# KiCad board teensy_arena_12-12.kicad_pcb (continued)
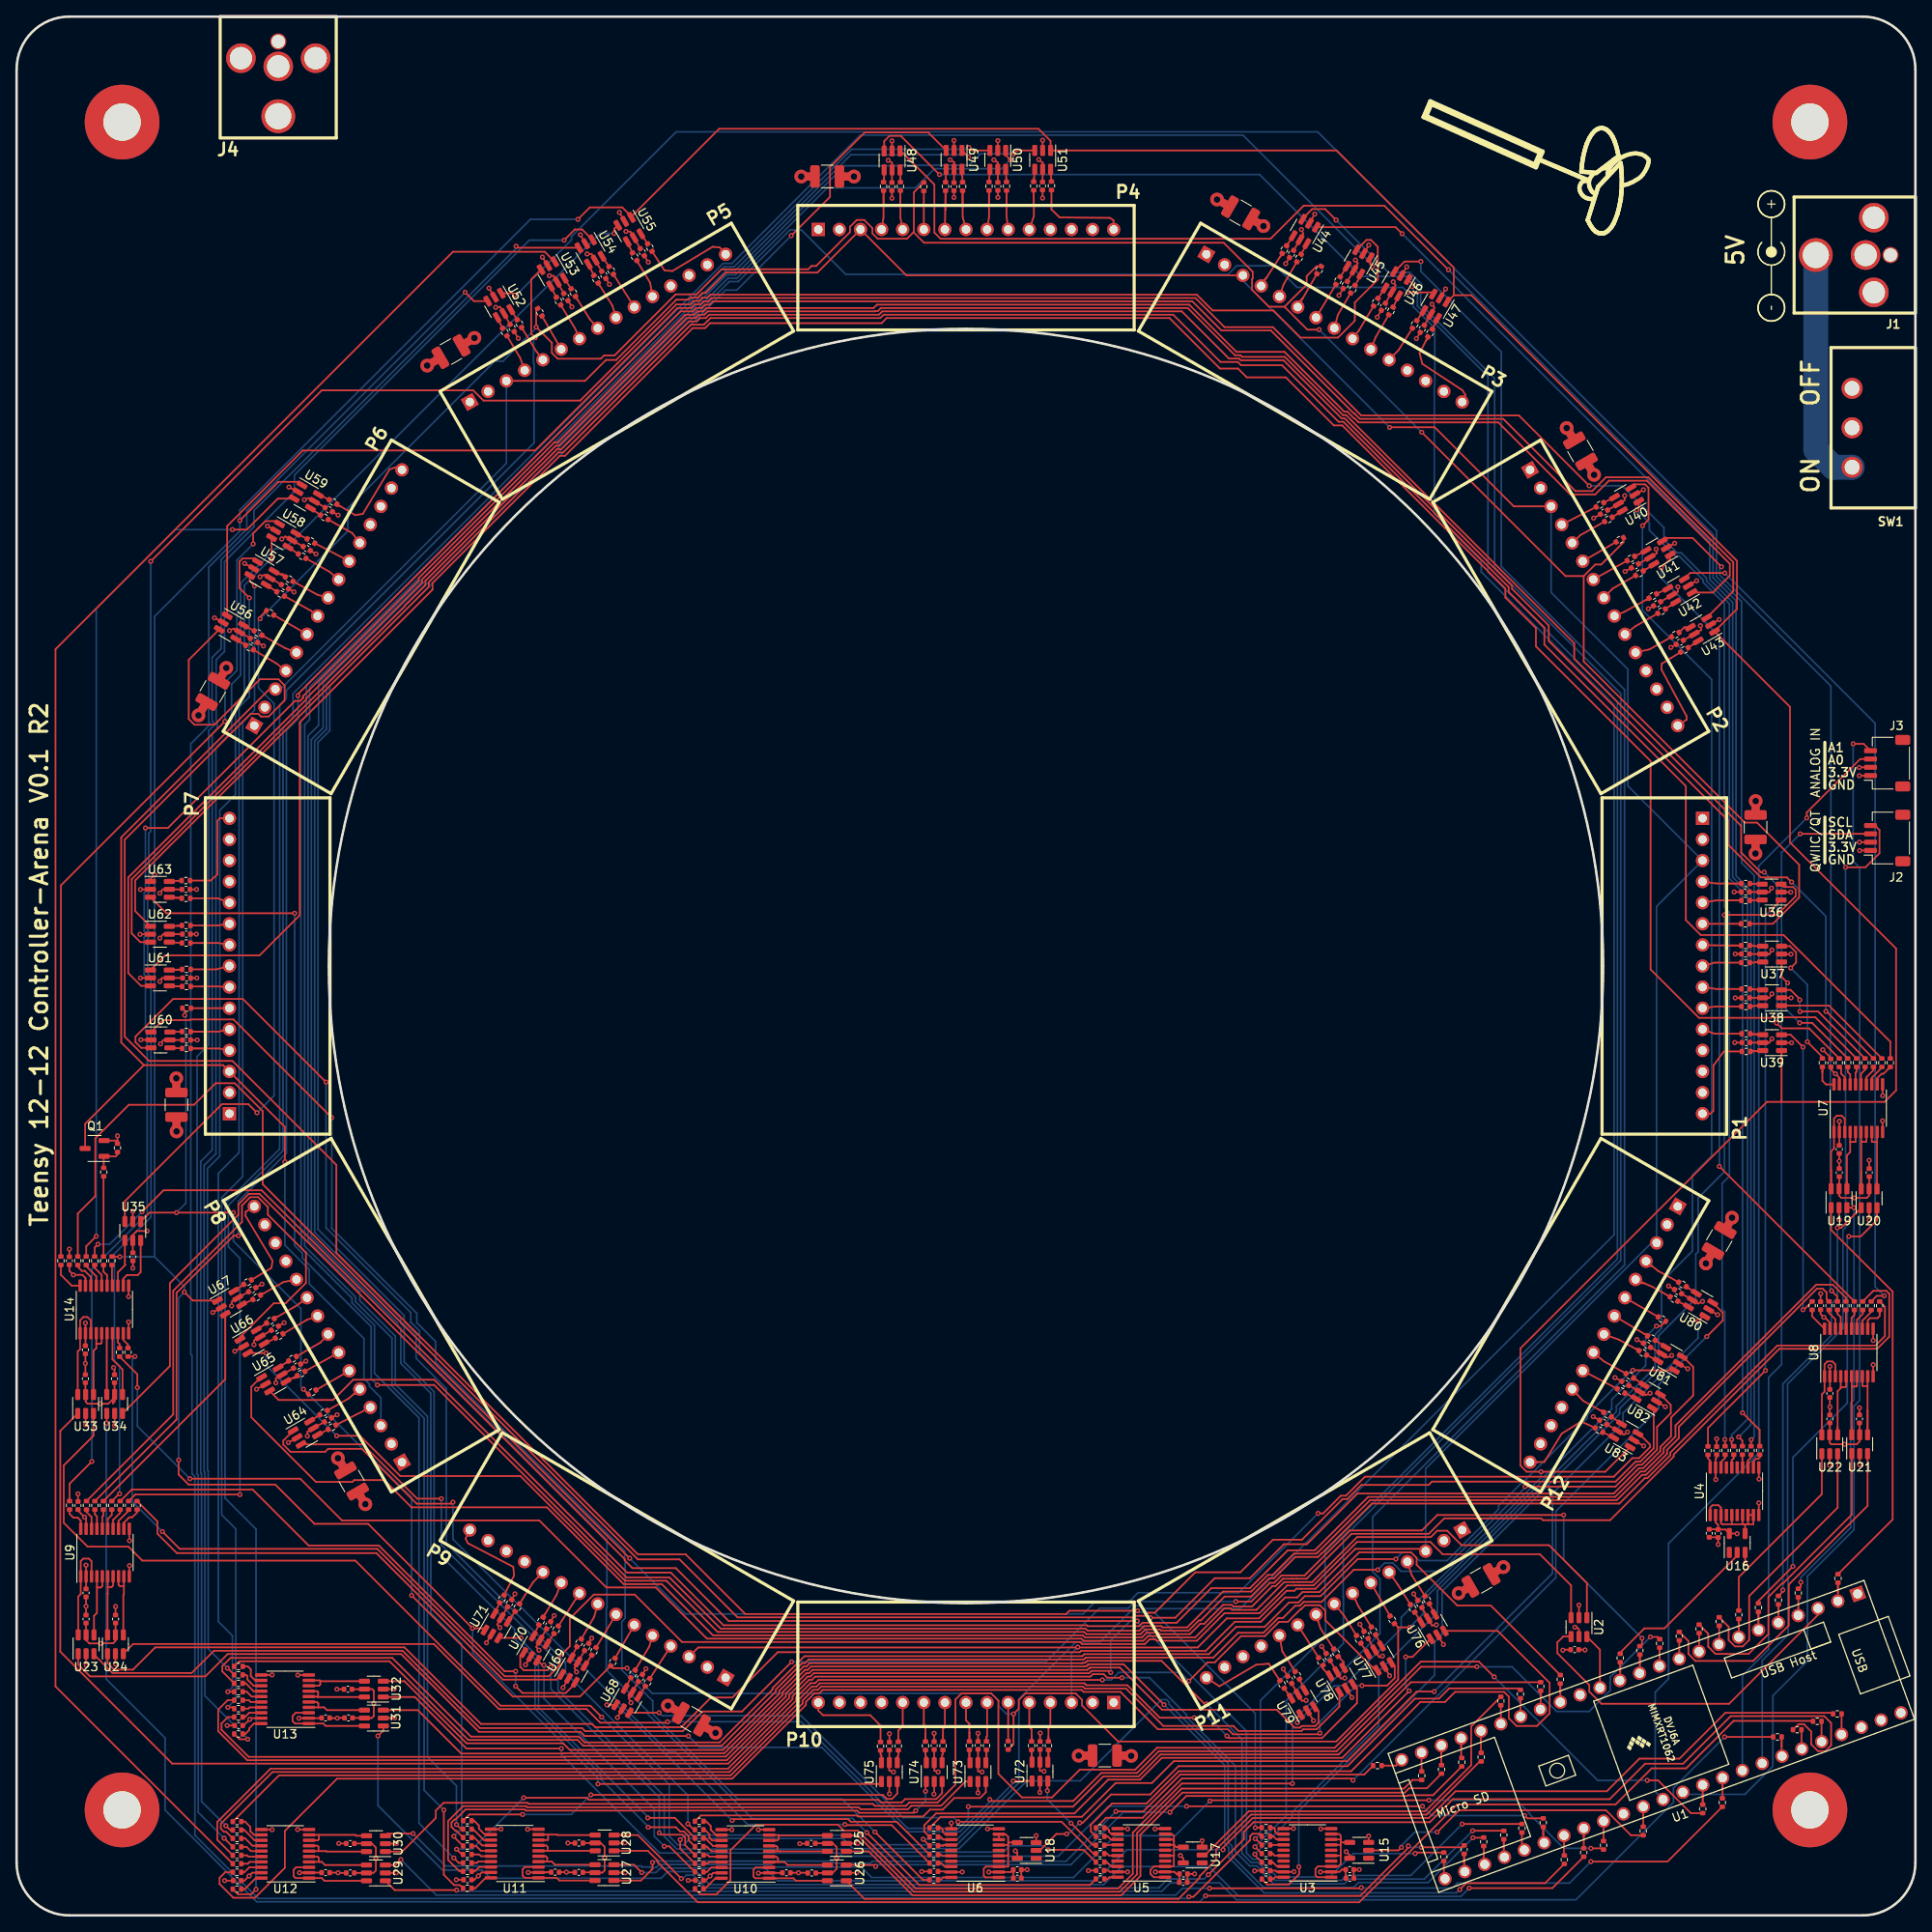
[diagram p0: board, top side]
## Routing (per net, layer and track width the routed paths; a pad name or vN(x,y) marks a point on that pad's centre or on a via; arc(x,y) is an arc through that point) (continued)
  Bottom w0.2: v1(33.47,120.65) 33.47,80.65 34.41,79.71 34.41,79.14 39.98,73.58 39.98,73.57 42.68,70.87 42.68,64.6 v1(43.43,63.86)
/Level Shifters/PAN5V.CS_05_P2: length 103.2
  Top w0.2: v1(205.25,162.37) 201.78,165.84 198.52,165.84 U41.3 ; v1(218.51,75.19) 219.22,74.48 R73.1
  Bottom w0.2: v1(218.51,75.19) 218.36,75.34 218.36,108.53 218.43,108.59 218.43,147.99 205.05,161.37 205.05,162.17 v1(205.25,162.37)
/Level Shifters/PAN5V.CS_05_P8: length 222.7
  Top w0.2: R74.1 220.23,74.36 218.65,75.94 216.66,75.94 199.72,58.99 199.72,57.65 198.3,56.23 198.3,55.74 196,53.44 195.51,53.44 192.46,50.39 162.72,50.39 156.29,43.96 153.04,43.96 148.47,39.39 143.82,39.39 139.66,35.23 135.55,35.23 135.14,34.82 128.96,34.82 128.86,34.93 85.11,34.93 78.76,41.28 73.5,41.28 50.29,64.49 40.53,64.49 38.09,62.05 31.55,62.05 U65.3
/Level Shifters/PAN5V.CS_06_P2: length 100
  Top w0.2: U41.1 199.09,163.33 v1(198,162.24) ; R75.1 v1(205,90.17)
  Bottom w0.2: v1(198,162.24) 198,161.01 205,154 v1(205,90.17)
/Level Shifters/PAN5V.CS_06_P8: length 238.4
  Top w0.2: R76.1 223.54,75.19 225.1,75.19 225.45,74.84 225.45,69.67 224,68.21 212.22,68.21 199.5,55.49 199.5,55.24 191.84,47.58 183.77,47.58 183.55,47.8 171.87,47.8 170.01,45.94 160.72,45.94 155.31,40.53 154.14,40.53 154.14,40.53 153.57,40.53 153.57,40.53 152.45,40.53 151.56,39.64 151.18,39.64 148.72,37.18 146.5,37.18 146.3,37.38 145.25,37.38 142.97,35.1 142.49,35.1 141.26,33.87 137.63,33.87 137.47,34.03 136.05,34.03 135.49,33.46 128.62,33.46 128.36,33.72 83.84,33.72 77.68,39.88 73.09,39.88 63.85,49.13 47.53,49.13 44.26,52.4 40.64,52.4 40.42,52.19 36.03,52.19 28.26,59.96 28.26,63.64 29.4,64.78 29.51,64.78
/Level Shifters/PAN5V.CS_07_P2: length 102
  Top w0.2: v1(205.66,161.62) 201.48,161.62 U42.3 ; v1(224.85,74.59) 223.96,74.59 R77.1
  Bottom w0.2: v1(224.85,74.59) 223.75,75.69 223.75,143.52 v1(205.66,161.62)
/Level Shifters/PAN5V.CS_07_P8: length 231.6
  Top w0.2: R78.1 224.94,73.27 224.94,69.75 223.8,68.61 211.99,68.61 199.1,55.73 199.1,55.41 196.33,52.64 196.01,52.64 192.96,49.58 163.15,49.58 157.12,43.55 157.07,43.55 156.67,43.15 153.94,43.15 152.12,41.33 152.12,41.33 151.37,40.58 150.8,40.58 148.61,38.39 145.44,38.39 142.56,35.51 142.33,35.51 141.09,34.27 137.79,34.27 137.63,34.43 135.89,34.43 135.33,33.87 128.78,33.87 128.52,34.12 84.4,34.12 78.23,40.28 73.26,40.28 60.65,52.89 46.19,52.89 41.35,57.74 v1(38.54,57.74) ; U66.3 v1(30.04,67.7)
  Bottom w0.2: v1(30.04,67.7) 30.04,66.24 v1(38.54,57.74)
/Level Shifters/PAN5V.CS_08_P2: length 323.4
  Top w0.2: v1(9.06,54.65) 6.38,51.97 R79.1 ; U42.1 204.21,159.26 206.26,161.3 206.26,162.73 196.25,172.73 191.71,172.73 190.06,171.08 187.05,171.08 178.38,179.75 161.58,179.75 161.08,180.24 161.01,180.24 160.22,181.03 159.86,181.03 152.65,188.23 146.86,188.23 141.18,193.92 103.58,193.92 103.18,193.52 83.61,193.52 83.6,193.52 83.04,193.52 82.68,193.16 82.68,193.16 82.63,193.11 81.95,193.11 81.55,192.71 80.49,192.71 65.11,177.33 64.74,177.33 48.42,161.02 48.42,160.73 34.48,146.79 34.48,146.6 34.48,146.6 34.48,146.56 34.12,146.21 33.5,146.21 18.21,130.92 v1(15.51,130.92)
  Bottom w0.2: v1(15.51,130.92) 15.51,123.27 15.36,123.12 15.36,118.46 15.46,118.36 15.46,117.86 15.36,117.76 15.36,113.25 15.51,113.1 15.51,106.45 15.72,106.24 15.72,84.48 9.06,77.81 v1(9.06,54.65)
/Level Shifters/PAN5V.CS_08_P8: length 69.3
  Top w0.2: R80.1 18.85,60.32 18.85,75.2 27.13,83.48 27.13,85.47 28.13,86.47 29.07,86.47 30.26,85.28 30.26,84.35 34.83,79.77 34.83,76.14 32.38,73.69 30.96,73.69 26.88,69.61 U66.1
/Level Shifters/PAN5V.CS_09_P2: length 322.4
  Top w0.2: R81.1 19.26,59.71 19.26,74.95 26.14,81.83 v1(26.7,81.83) ; U43.3 206.67,159.42 206.67,162.93 196.46,173.13 191.34,173.13 189.69,171.48 187.67,171.48 178.97,180.18 161.72,180.18 161.11,180.78 161.04,180.78 151.01,190.81 145.06,190.81 141.55,194.32 83.84,194.32 83.44,193.92 82.87,193.92 82.51,193.56 82.51,193.56 82.47,193.51 81.78,193.51 81.38,193.11 79.95,193.11 33.88,147.04 v1(33.88,146.85)
  Bottom w0.2: v1(26.7,81.83) 26.7,85.99 32.48,91.77 32.48,142.66 33.88,144.06 v1(33.88,146.85)
/Level Shifters/PAN5V.CS_09_P8: length 28.6
  Top w0.2: U67.3 25.13,64.56 R82.1
/Level Shifters/PAN5V.CS_10_P3: length 291.7
  Top w0.2: v1(12.4,50.76) 12.34,50.76 R83.1 ; v1(16.15,163.01) 36.73,183.6 54.98,183.6 56.21,182.37 67.85,182.37 72.35,186.87 72.35,186.87 79.43,193.95 81.08,193.95 81.49,194.36 82.18,194.36 82.57,194.75 83.14,194.75 83.51,195.12 142.08,195.12 143.98,193.22 151.31,193.22 154.58,189.95 159.08,189.95 161.11,191.98 161.11,194.17 163.88,196.94 163.88,200.89 163.05,201.71 162.51,201.71 U45.3
  Bottom w0.2: v1(16.15,163.01) 16.15,130.52 15.91,130.29 15.91,123.1 15.77,122.96 15.77,118.62 15.86,118.53 15.86,117.69 15.77,117.6 15.77,113.41 16.17,113.01 16.17,84.06 11.77,79.66 11.77,66.8 12.4,66.17 v1(12.4,50.76)
/Level Shifters/PAN5V.CS_10_P9: length 67.2
  Top w0.2: U69.3 67.27,27.94 66.11,26.78 60.89,26.78 v1(60.07,27.59) ; v1(60.07,29.39) 58.74,29.39 43.6,44.53 35.16,44.53 28.42,51.27 13.86,51.27 R84.1
  Bottom w0.2: v1(60.07,29.39) v1(60.07,27.59)
/Level Shifters/PAN5V.CS_11_P3: length 279.7
  Top w0.2: v1(26.89,50.66) 14.28,50.66 R85.1 ; U45.1 162.97,198.77 v1(163.24,198.5)
  Bottom w0.2: v1(163.24,198.5) 163.24,198.73 147.65,214.32 101.56,214.32 86.12,198.88 85.06,198.88 33.27,147.1 33.27,144.22 32.07,143.02 32.07,92.08 25.49,85.5 25.49,80.49 26.89,79.1 v1(26.89,50.66)
/Level Shifters/PAN5V.CS_11_P9: length 61.2
  Top w0.2: U69.1 64.99,28.39 58.54,28.39 43.31,43.62 19.29,43.62 16.95,45.96 16.95,47.43 R86.1
/Level Shifters/PAN5V.CS_12_P3: length 303.5
  Top w0.2: v1(169.06,199.11) 167.1,199.11 U46.3 ; R87.1 82.34,2.53 84.24,2.53 85.95,4.24 85.95,7.84 89.02,10.92 98.89,10.92 99.59,10.22 101.27,10.22 108.23,3.25 132.62,3.25 134.38,5.01 134.38,9.97 140.28,15.87 v1(153.59,15.87)
  Bottom w0.2: v1(169.06,199.11) 169.06,197.93 178.74,188.25 178.74,162.41 193.58,147.57 193.58,78.3 163.25,47.98 163.25,41.39 164.14,40.5 164.14,33.92 154.03,23.81 153.95,23.81 153.59,23.46 v1(153.59,15.87)
/Level Shifters/PAN5V.CS_12_P9: length 33.8
  Top w0.2: v1(77.97,8.32) 78.59,8.32 R88.1 ; U70.3 63.29,30.13 v1(63.49,30.13)
  Bottom w0.2: v1(63.49,30.13) 63.49,26.1 76.77,12.82 76.77,9.52 v1(77.97,8.32)
/Level Shifters/PAN5V.CS_13_P3: length 278.7
  Top w0.2: v1(167.99,196.1) 167.99,196.48 U46.1 ; R89.1 79.89,8.03 v1(79.89,9.11)
  Bottom w0.2: v1(167.99,196.1) 168.14,195.96 168.14,193.69 170.74,191.09 170.74,184.29 170.68,184.23 170.68,168.76 176.33,163.11 176.33,161.74 192.32,145.75 192.32,81.94 147.3,36.92 135.55,36.92 135.2,37.27 134.7,37.27 134.35,36.92 134.35,36.84 130.42,32.92 127.53,32.92 120.67,26.06 120.67,15.98 113.2,8.51 102.97,8.51 101.81,9.67 80.45,9.67 v1(79.89,9.11)
/Level Shifters/PAN5V.CS_13_P9: length 37.2
  Top w0.2: U70.1 60.64,31.22 60.64,29.93 61.05,29.52 63.92,29.52 v1(64.32,29.92) ; R90.1 80.49,8.45 80.49,9.36 80.14,9.71 77.59,9.71 v1(77.37,9.93)
  Bottom w0.2: v1(64.32,29.92) 64.32,27.26 77.37,14.2 v1(77.37,9.93)
/Level Shifters/PAN5V.CS_14_P3: length 321.7
  Top w0.2: U47.3 170.36,195.4 v1(167.49,195.4) ; R91.1 80.89,9.06 80.89,9.52 80.31,10.11 79.88,10.11 79.37,10.61 v1(76.03,10.61)
  Bottom w0.2: v1(76.03,10.61) 76.03,10.7 70.37,16.37 70.37,16.94 62.42,24.89 62.42,30.85 59.95,33.32 59.95,34.45 50.27,44.14 50.27,63.03 46.66,66.64 46.66,70.85 46.25,71.25 46.25,71.86 35.88,82.23 35.88,141.39 37.3,142.81 37.3,148.19 85.81,196.7 86.88,196.7 93.09,202.91 94.48,202.91 99.82,197.57 145.85,197.57 146.88,198.6 151.56,198.6 154.16,196 166.88,196 v1(167.49,195.4)
/Level Shifters/PAN5V.CS_14_P9: length 37.4
  Top w0.2: R92.1 81.67,9.31 79.24,11.75 v1(75.98,11.75) ; U71.3 v1(60.73,33.41)
  Bottom w0.2: v1(75.98,11.75) 75.98,11.89 62.84,25.03 62.84,31.06 60.73,33.17 v1(60.73,33.41)
/Level Shifters/PAN5V.CS_15_P4: length 262
  Top w0.2: v1(80.82,11.02) 81.52,10.31 R93.1 ; U49.3 109.75,214.65 102.11,214.65 97.93,210.47 97.93,206.9 v1(93.26,202.23)
  Bottom w0.2: v1(93.26,202.23) 86.7,195.67 85.35,195.67 37.7,148.03 37.7,142.64 36.29,141.22 36.29,82.61 46.66,72.23 46.66,71.42 48.1,69.97 48.1,67.07 51.73,63.44 51.73,44.77 66.08,30.42 66.08,29.19 80.82,14.45 v1(80.82,11.02)
/Level Shifters/PAN5V.CS_15_P10: length 37.8
  Top w0.2: R94.1 82.37,12.03 101.16,12.03 101.28,11.91 109.14,11.91 109.97,12.74 111.49,12.74 112.89,14.13 115.99,14.13 116.69,14.83 U73.3
/Level Shifters/PAN5V.CS_16_P4: length 260.3
  Top w0.2: U49.1 v1(114.6,211.7) ; v1(51.44,12.69) 51.44,4.88 52.67,3.65 53.38,3.65 R95.1
  Bottom w0.2: v1(114.6,211.7) 114.33,211.97 100.44,211.97 86.55,198.08 85.46,198.08 35.28,147.9 35.28,143.95 34.68,143.35 34.68,80.58 40.78,74.47 40.78,73.91 45.19,69.5 45.19,63.72 49.06,59.85 49.06,15.07 v1(51.44,12.69)
/Level Shifters/PAN5V.CS_16_P10: length 72.2
  Top w0.2: U73.1 114.22,16.11 111.31,13.2 107.71,13.2 107.29,12.78 101.61,12.78 101.38,13.02 61.47,13.02 61.34,13.15 53.75,13.15 51.94,11.34 51.94,6.68 53.32,5.3 R96.1
/Level Shifters/PAN5V.CS_17_P4: length 259.7
  Top w0.2: R97.1 53.23,6.32 v1(52.64,6.91) ; U50.3 115.01,212.49 v1(114.66,212.84)
  Bottom w0.2: v1(52.64,6.91) 48.45,11.1 48.45,59.9 43.09,65.26 43.09,71.04 40.38,73.74 40.38,74.3 34.81,79.87 34.81,79.88 34.28,80.42 34.28,82.2 34.22,82.25 34.22,143.84 34.88,144.49 34.88,148.13 85.23,198.48 86.38,198.48 100.54,212.64 114.46,212.64 v1(114.66,212.84)
/Level Shifters/PAN5V.CS_17_P10: length 64.2
  Top w0.2: v1(61.05,14.16) 61.05,14.16 68.63,14.16 68.88,13.91 103.74,13.91 104.04,13.61 106.57,13.61 106.97,14 110.71,14 111.42,14.72 U74.3 ; R98.1 53.6,7.34 v1(52.97,7.96)
  Bottom w0.2: v1(61.05,14.16) 54.85,7.96 v1(52.97,7.96)
/Level Shifters/PAN5V.CS_18_P4: length 259.2
  Top w0.2: v1(119.64,211.35) 119.08,211.92 U50.1 ; v1(52.64,9.53) 52.64,9.47 R99.1
  Bottom w0.2: v1(52.64,9.53) 53.59,10.47 53.59,32.69 49.87,36.41 49.87,62.86 46.25,66.47 46.25,70.68 45.85,71.08 45.85,71.33 35.48,81.71 35.48,141.56 36.9,142.97 36.9,148.37 85.64,197.11 86.72,197.11 97.6,207.99 108.2,207.99 110.5,210.28 118.57,210.28 v1(119.64,211.35)
/Level Shifters/PAN5V.CS_18_P10: length 63.3
  Top w0.2: U74.1 109.43,16.01 v1(109.43,14.94) ; R100.1 52.95,10.17 52.84,10.17 52.35,10.66 52.35,11.19 52.71,11.54 52.84,11.54 54.05,12.75 61.17,12.75 61.31,12.61 101.19,12.61 101.46,12.35 107.99,12.35 v1(108.24,12.59)
  Bottom w0.2: v1(108.24,12.59) 109.43,13.78 v1(109.43,14.94)
/Level Shifters/PAN5V.CS_19_P4: length 259.2
  Top w0.2: R101.1 53.51,10.38 v1(52.96,10.94) ; U51.3 120.44,212.49 v1(120.04,212.09)
  Bottom w0.2: v1(120.04,212.09) 116.05,212.09 114.66,210.7 106.7,210.7 106.64,210.64 99.69,210.64 86.55,197.51 85.47,197.51 36.36,148.4 36.36,143.28 35.08,142 35.08,81.29 41.33,75.04 41.33,74 45.6,69.73 45.6,63.96 49.46,60.09 49.46,19.09 52.96,15.59 v1(52.96,10.94)
/Level Shifters/PAN5V.CS_19_P10: length 55.5
  Top w0.2: v1(60.92,12.15) 54.51,12.15 R102.1 ; U75.3 106.02,14.66 105.38,14.02 104.78,14.02 104.29,14.51 v1(69.13,14.51)
  Bottom w0.2: v1(60.92,12.15) 66.77,12.15 v1(69.13,14.51)
/Level Shifters/PAN5V.CS_20_P5: length 216.1
  Top w0.2: R103.1 26.66,2.54 28.22,2.54 v1(28.82,3.14) ; U53.3 61.95,196.96 61.95,190.43 v1(62.44,189.94)
  Bottom w0.2: v1(62.44,189.94) 62.24,189.74 62.24,186.85 62.29,186.8 62.29,177.28 32.47,147.46 32.47,146.54 31.67,145.73 31.67,92.26 25.09,85.69 25.09,50.23 28.82,46.5 v1(28.82,3.14)
/Level Shifters/PAN5V.CS_20_P11: length 165.8
  Top w0.2: v1(156.91,21.95) 156.76,21.8 146.45,21.8 145.84,22.4 137.4,22.4 132.9,26.91 128.46,26.91 128.23,27.14 97.04,27.14 96.64,26.75 96.08,26.75 95.02,25.7 95.02,25.34 86.15,16.46 38.58,16.46 32.29,10.17 32.29,5.72 28.69,2.13 26.09,2.13 24.43,3.78 24.43,4.51 25.13,5.2 R104.1 ; v1(161.97,27.67) 165,27.67 165.92,28.58 165.92,30.01 U77.3
  Bottom w0.2: v1(161.97,27.67) 161.27,27.67 156.91,23.31 v1(156.91,21.95)
/Level Shifters/PAN5V.CS_21_P5: length 235.5
  Top w0.2: R105.1 4.68,27.56 4.68,152.44 52.53,200.29 63.58,200.29 U53.1
/Level Shifters/PAN5V.CS_21_P11: length 160.2
  Top w0.2: v1(130.72,28.35) 96.54,28.35 96.14,27.96 95.58,27.96 93.82,26.2 93.82,25.84 85.65,17.67 30.58,17.67 24.16,11.25 24.16,9.1 R106.1 ; 163.82,29.51 163.59,29.51 157.56,35.54 157.56,36.67 156.89,37.34 155.13,37.34 154.67,36.88 154.59,36.88 153.06,35.35 152,35.35 150.28,33.62 147.41,33.62 144.26,30.47 143.38,30.47 v1(141.13,28.21)
  Bottom w0.2: v1(130.72,28.35) 131.79,28.35 132.69,29.25 140.08,29.25 v1(141.13,28.21)
/Level Shifters/PAN5V.CS_22_P5: length 218.2
  Top w0.2: v1(60.13,200.95) 60.31,200.77 U54.3 ; R107.1 v1(24.98,9.3)
  Bottom w0.2: v1(24.98,9.3) 21.86,12.41 21.86,52.99 21.72,53.13 21.72,103.41 23.14,104.82 23.14,142.65 23.74,143.25 23.74,143.59 23.54,143.79 23.54,151.44 24.63,152.53 24.63,163.22 28.58,167.17 28.58,169.13 60.13,200.69 v1(60.13,200.95)
/Level Shifters/PAN5V.CS_22_P11: length 153.5
  Top w0.2: v1(145.71,21.6) 145.97,21.35 157.16,21.35 161.37,25.56 161.37,27.36 U78.3 ; v1(141.79,23.79) 137.64,23.79 133.72,27.71 128.79,27.71 128.56,27.95 96.7,27.95 96.31,27.55 95.74,27.55 94.22,26.03 94.22,25.67 85.81,17.26 30.81,17.26 24.59,11.04 24.59,10.43 24.96,10.06 25.23,10.06 R108.1
  Bottom w0.2: v1(145.71,21.6) 143.52,23.79 v1(141.79,23.79)
/Level Shifters/PAN5V.CS_23_P5: length 218.3
  Top w0.2: v1(25.19,10.79) 25.7,10.28 R109.1 ; U54.1 68.09,202.98 67.21,202.98 v1(65.91,201.69)
  Bottom w0.2: v1(65.91,201.69) 61.73,201.69 33.45,173.4 33.45,171.41 25.03,162.98 25.03,152.16 24.03,151.17 24.03,143.86 24.14,143.75 24.14,142.88 23.54,142.28 23.54,92.15 22.17,90.78 22.17,53.26 22.27,53.16 22.27,13.72 v1(25.19,10.79)
/Level Shifters/PAN5V.CS_23_P11: length 145.3
  Top w0.2: U78.1 159.26,25.15 156.51,22.4 154.89,22.4 154.69,22.2 147.1,22.2 146.49,22.81 138.06,22.81 133.56,27.31 128.63,27.31 128.39,27.55 96.87,27.55 96.48,27.15 95.91,27.15 94.62,25.87 94.62,25.5 85.98,16.86 31.59,16.86 R110.1
/Level Shifters/PAN5V.CS_24_P5: length 208.6
  Top w0.2: R111.1 26.84,21.21 v1(27.83,21.21) ; v1(71.94,202.49) 71.94,203.04 U55.3
  Bottom w0.2: v1(71.94,202.49) 70.24,202.49 32.29,164.55 31.14,164.55 26.98,160.38 26.98,149.31 25.88,148.21 25.88,142.5 24,140.62 24,91.71 22.57,90.29 22.57,53.42 22.67,53.33 22.67,26.44 27.83,21.27 v1(27.83,21.21)
/Level Shifters/PAN5V.CS_24_P11: length 146.1
  Top w0.2: R112.1 25.44,23.88 24.67,23.11 24.67,22.35 27.94,19.08 66,19.08 66.03,19.12 85.37,19.12 92.61,26.36 92.61,26.7 95.08,29.16 95.41,29.16 95.81,29.56 128.92,29.56 129.12,29.76 129.16,29.76 129.17,29.76 129.24,29.84 132.82,29.84 137.9,24.77 151.71,24.77 153.87,22.6 154.52,22.6 154.72,22.8 156.34,22.8 156.74,23.19 156.74,24.61 U79.3
/Level Shifters/PAN5V.CS_25_P6: length 140.1
  Top w0.2: U57.3 28.07,160.64 v1(28.64,160.07) ; v1(25.43,25.05) 26.04,25.05 R113.1
  Bottom w0.2: v1(28.64,160.07) 28.64,145.09 27.22,143.68 27.22,88.95 24.69,86.42 24.69,48.22 26.39,46.53 26.39,26.01 v1(25.43,25.05)
/Level Shifters/PAN5V.CS_25_P12: length 211.9
  Top w0.2: v1(136.52,35.83) 139.49,35.83 144.25,40.6 148.48,40.6 152.57,44.69 155.34,44.69 161.44,50.79 192.28,50.79 195.34,53.84 195.83,53.84 197.9,55.91 197.9,56.4 199.18,57.69 199.18,59.93 201.84,62.59 201.84,66.03 200.6,67.27 U81.3 ; R114.1 25.41,25.91 24.26,24.76 24.26,22.18 27.77,18.68 85.5,18.68 93.02,26.19 93.02,26.53 95.24,28.76 95.58,28.76 95.98,29.15 129.13,29.15 129.33,29.36 129.33,29.36 129.41,29.44 131.52,29.44 v1(131.72,29.23)
  Bottom w0.2: v1(131.72,29.23) 131.72,33.1 134.69,36.07 136.28,36.07 v1(136.52,35.83)
/Level Shifters/PAN5V.CS_26_P6: length 142.3
  Top w0.2: R115.1 v1(25.43,26.92) ; U57.1 28.63,163.37 27.21,163.37 26.82,162.98 26.82,159.81 v1(28.02,158.61)
  Bottom w0.2: v1(28.02,158.61) 28.02,146.69 26.78,145.45 26.78,91.84 24.29,89.35 24.29,35.37 25.98,33.68 25.98,27.47 v1(25.43,26.92)
/Level Shifters/PAN5V.CS_26_P12: length 202
  Top w0.2: U81.1 v1(194.58,65.63) ; R116.1 24.77,29.37 24.77,30.02 25.75,31 45.23,31 54.7,21.53 67.69,21.53 68.39,20.82 84.64,20.82 91.01,27.19 91.01,27.36 94.85,31.21 128.3,31.21 128.54,31.44 143.53,31.44 146.81,34.73 150.25,34.73 153.2,37.68 154.33,37.68 155.09,38.44 157,38.44 161.47,42.9 v1(166.06,42.9)
  Bottom w0.2: v1(194.58,65.63) 194.46,65.63 189.1,60.27 189.1,59.89 181.44,52.23 181.35,52.23 178.43,49.31 178.43,48.91 172.23,42.71 168.87,42.71 167.89,43.7 166.85,43.7 v1(166.06,42.9)
/Level Shifters/PAN5V.CS_27_P6: length 141.6
  Top w0.2: v1(25.38,29.77) 25.38,29.77 R117.1 ; v1(30.69,163.23) 30.7,163.24 U58.3
  Bottom w0.2: v1(25.38,29.77) 23.07,32.08 23.07,53.49 22.98,53.58 22.98,89.93 24.45,91.4 24.45,133.04 26.35,134.93 26.35,145.88 27.42,146.95 27.42,160.14 30.51,163.23 v1(30.69,163.23)
/Level Shifters/PAN5V.CS_27_P12: length 199.4
  Top w0.2: v1(181.6,51.62) 192.5,51.62 195.12,54.24 195.67,54.24 197.5,56.07 197.5,58.81 199.14,60.46 199.14,61.47 U82.3 ; R118.1 26.83,30.6 44.89,30.6 54.37,21.12 67.52,21.12 68.23,20.42 84.89,20.42 91.41,26.94 91.41,27.2 94.58,30.37 94.92,30.37 95.35,30.8 128.47,30.8 128.62,30.96 128.66,30.96 128.74,31.04 144.08,31.04 147.06,34.02 150.11,34.02 151.88,35.79 152.44,35.79 153.93,37.28 154.5,37.28 154.96,37.74 157.11,37.74 160.98,41.61 v1(163.88,41.61)
  Bottom w0.2: v1(181.6,51.62) 181.6,51.48 171.54,41.43 166.68,41.43 165.69,42.42 164.69,42.42 v1(163.88,41.61)
/Level Shifters/PAN5V.CS_28_P6: length 100.6
  Top w0.2: v1(28.49,165.11) 28.49,166.4 29.95,167.86 31.32,167.86 U58.1 ; R119.1 5.33,124.01 v1(25.08,143.76)
  Bottom w0.2: v1(28.49,165.11) 26.53,163.15 26.53,149.87 25.08,148.43 v1(25.08,143.76)
/Level Shifters/PAN5V.CS_28_P12: length 250.6
  Top w0.2: U82.1 197.09,60.92 197.09,56.24 195.5,54.65 194.93,54.65 192.51,52.23 170.4,52.23 170,51.82 161.9,51.82 160.2,50.12 159.64,50.12 154.74,45.23 151.26,45.23 147.33,41.31 141.91,41.31 137.03,36.44 136.27,36.44 135.91,36.07 134.69,36.07 134.5,35.88 86.8,35.88 79.82,42.86 74.79,42.86 29.62,88.03 29.62,96.83 26.27,100.19 23.96,100.19 21.36,97.59 13.51,97.59 9.48,93.56 9.48,86.6 7.37,84.49 R120.1
/Level Shifters/PAN5V.CS_29_P6: length 107.8
  Top w0.2: v1(25.98,166.84) 27.72,166.84 31.45,170.57 U59.3 ; v1(9.59,81.77) 8.38,80.56 R121.1
  Bottom w0.2: v1(25.98,166.84) 19.11,166.84 9.59,157.31 v1(9.59,81.77)
/Level Shifters/PAN5V.CS_29_P12: length 223
  Top w0.2: v1(73.81,42.99) 29.51,87.29 17.68,87.29 v1(15.11,84.72) ; R122.1 9.4,80.41 v1(9.79,80.8) ; U83.3 195.29,58.03 196.65,56.68 196.65,56.36 195.33,55.05 194.52,55.05 192.29,52.81 162.33,52.81 160.04,50.53 159.43,50.53 157.3,48.4 v1(156.68,48.4)
  Bottom w0.2: v1(156.68,48.4) 147.13,38.85 135.01,38.85 133.95,37.78 129.88,37.78 128.38,36.28 80.52,36.28 v1(73.81,42.99) ; v1(9.79,80.8) 11.19,80.8 v1(15.11,84.72)
/Level Shifters/PAN5V.EXT_INT: length 682.9
  Top w0.2: U63.1 16.11,124.79 v1(16.61,125.28) ; 212.49,97.94 224.89,97.94 226.27,99.32 226.27,116.41 213.51,129.17 213.51,145.5 U43.1 207.12,157.27 207.12,163.08 175.14,195.06 173.02,195.06 ; 212.49,97.94 210.73,97.94 181.05,68.27 181.05,54.16 181.79,53.42 v1(183.53,53.42) 191.27,53.42 U83.1 ; 212.49,97.94 U39.1 ; 74.02,204.53 U55.1 ; 74.02,204.53 72.92,205.63 69.02,205.63 v1(67.58,204.19) ; 74.02,204.53 84.58,215.09 123.02,215.09 124.48,213.63 U51.1 158.91,212.49 173.02,198.38 173.02,195.06 ; v1(69.99,15.83) 103.84,15.83 U75.1 ; U79.1 154.2,23.79 v1(154.2,23.21) ; 173.02,195.06 U47.1 ; R124.1 11.51,79.29 v1(12.42,79.29) ; v1(20.2,75.04) 21.21,74.02 U67.1 ; v1(19.5,54.81) 19.5,53.08 20.71,51.87 31.14,51.87 35.87,47.14 42.32,47.14 v1(54.89,34.57) 56.18,34.57 U71.1 ; U59.1 33.97,172.59 31.53,172.59 v1(26.88,167.94)
  Bottom w0.2: 16.61,79.29 20.2,75.71 v1(20.2,75.04) 19.5,74.35 v1(19.5,54.81) ; 16.61,79.29 v1(12.42,79.29) ; 16.61,79.29 v1(16.61,125.28) 16.61,156.39 26.88,166.66 v1(26.88,167.94) 26.88,169.21 61.86,204.19 v1(67.58,204.19) ; v1(154.2,23.21) 158.65,27.66 159.83,27.66 166.7,34.52 166.7,35.87 183.53,52.71 183.53,53.41 v1(183.53,53.42) ; v1(54.89,34.57) 54.89,31.62 69.96,16.55 69.96,15.85 v1(69.99,15.83)
/Level Shifters/PAN5V.MISO_0: length 371.9
  Top w0.2: R228.2 29.32,156.32 v1(29.32,156.1) ; 107.98,202.65 108.03,202.69 108.03,207.44 R226.2 ; 107.98,202.65 109.25,201.38 145.32,201.38 148.82,197.88 148.82,197.07 148.74,196.98 148.74,195.72 150.78,193.67 152.64,193.67 ; 107.98,202.65 107.19,201.86 103.67,201.86 103.04,202.49 103.04,203.12 102.05,204.11 101.14,204.11 100.33,203.3 100.33,202.64 96.27,198.58 95.7,198.58 95.3,198.18 85.23,198.18 85.23,198.18 84.86,198.18 81.84,195.16 80.96,195.16 80.96,195.16 79.34,195.16 71.99,187.81 70.73,187.81 70.33,187.41 65.15,187.41 64.44,188.12 64.44,189.34 v1(62.55,191.22) 62.55,193.28 R227.2 ; 188.67,161.25 186.48,161.25 v1(169.17,178.56) ; 188.67,161.25 188.67,150.96 208.07,131.56 209.54,131.56 214.6,126.5 214.6,122.54 211.44,119.38 R223.2 ; 188.67,161.25 190.05,162.63 190.77,162.63 193.46,165.32 R224.2 ; 152.64,193.67 155.4,190.91 v1(156.82,190.91) ; 152.64,193.67 155.31,196.34 155.31,197.35 156.5,198.54 R225.2 ; U35.3 13.04,85.98 24.72,97.67 27.9,97.67 v1(28.94,96.63)
  Bottom w0.2: v1(156.82,190.91) v1(169.17,178.56) ; v1(28.94,96.63) 31,98.69 31,145.89 29.11,147.77 29.11,155.9 v1(29.32,156.1) 39.87,166.66 39.87,169.42 57.56,187.11 58.56,187.11 62.55,191.11 v1(62.55,191.22)
/Level Shifters/PAN5V.MISO_1: length 291.2
  Top w0.2: R232.2 120.02,20.61 v1(120.02,24.25) 120.65,24.88 120.65,25.92 121.46,26.73 127.5,26.73 128.27,25.95 128.27,25.28 132.61,20.94 158.87,20.94 166.33,28.39 166.33,34.68 ; 166.33,34.68 v1(167.73,34.68) ; 166.33,34.68 R233.2 ; U35.1 16.01,84.61 v1(19.24,84.61) v1(26.1,84.61) ; v1(20.24,108.39) 20.24,108.95 R229.2 ; v1(47.56,38.52) 59.74,26.34 67.81,26.34 R231.2 71.83,29.77 v1(73.49,29.77) ; R234.2 197.95,70.95 v1(197.43,70.95) ; v1(34.53,63.34) R230.2
  Bottom w0.2: v1(20.24,108.39) 20.38,108.25 20.38,85.75 v1(19.24,84.61) ; v1(197.43,70.95) 196.13,69.64 196.13,66.21 192.05,62.13 192.05,60.96 183.93,52.84 183.93,52.54 183.73,52.34 183.73,52.34 169.35,37.96 169.35,36.3 v1(167.73,34.68) ; v1(26.1,84.61) 26.1,81.19 34.22,73.06 34.22,63.65 v1(34.53,63.34) 47.56,50.31 v1(47.56,38.52) ; v1(73.49,29.77) 76.52,26.73 117.35,26.73 118.25,25.83 118.25,25.18 119.18,24.25 v1(120.02,24.25)
/Level Shifters/PAN5V.MOSI_0_P1: length 69.4
  Top w0.2: v1(210.55,65.6) 203.63,58.69 R45.1 ; U36.1 v1(211.22,121.05)
  Bottom w0.2: v1(210.55,65.6) 210.55,120.38 v1(211.22,121.05)
/Level Shifters/PAN5V.MOSI_0_P2: length 119.3
  Top w0.2: U40.1 195.3,169.46 v1(195.04,169.21) ; v1(205.66,57.28) 205.69,57.25 R46.1
  Bottom w0.2: v1(195.04,169.21) 196.57,167.69 196.57,166.78 199.7,163.64 200.17,163.64 203.04,160.77 203.04,160.5 205.6,157.94 205.6,121.37 206.21,120.76 206.21,88.98 205.34,88.12 205.34,72.98 205.66,72.66 v1(205.66,57.28)
/Level Shifters/PAN5V.MOSI_0_P3: length 174.8
  Top w0.2: R47.1 206.47,56.74 v1(206.47,57.29) ; U44.1 166.02,203.25 v1(166.81,202.46)
  Bottom w0.2: v1(166.81,202.46) 203.85,165.42 203.85,160.83 206.61,158.07 206.61,124.99 208.39,123.21 208.39,59.75 206.47,57.83 v1(206.47,57.29)
/Level Shifters/PAN5V.MOSI_0_P4: length 236.1
  Top w0.2: U48.1 106.46,212.42 110.49,208.39 110.49,202.61 111.24,201.85 150.97,201.85 154.95,205.83 164.67,205.83 v1(172.38,198.12) ; R48.1 207.77,57.16 v1(207.33,57.6)
  Bottom w0.2: v1(172.38,198.12) 204.25,166.25 204.25,161.03 207.01,158.27 207.01,125.16 208.79,123.38 208.79,59.07 v1(207.33,57.6)
/Level Shifters/PAN5V.MOSI_0_P5: length 286.9
  Top w0.2: U52.1 59.72,195.3 v1(59.95,195.07) ; v1(208.84,57.27) 208.81,57.24 R49.1
  Bottom w0.2: v1(208.84,57.27) 209.19,57.62 209.19,125.19 207.67,126.71 207.67,158.18 204.65,161.2 204.65,166.71 156.64,214.73 79.4,214.73 66.8,202.12 66.8,201.71 60.16,195.07 v1(59.95,195.07)
/Level Shifters/PAN5V.MOSI_0_P6: length 322.2
  Top w0.2: v1(207.79,60.51) 209.85,58.44 R50.1 ; v1(189.34,172.11) 180.87,180.58 161.88,180.58 151.24,191.22 145.42,191.22 141.92,194.72 83.67,194.72 83.27,194.32 82.71,194.32 82.35,193.96 81.66,193.96 81.22,193.51 79.57,193.51 62.42,176.37 34.45,176.37 25.35,167.26 U56.1
  Bottom w0.2: v1(207.79,60.51) 207.79,122.68 207.59,122.88 207.59,123.45 206.21,124.83 206.21,157.9 203.44,160.66 203.44,161.01 200.41,164.04 199.91,164.04 198.33,165.62 198.33,167.07 193.29,172.11 v1(189.34,172.11)
/Level Shifters/PAN5V.MOSI_1_P7: length 157
  Top w0.2: R57.1 109.11,4.28 v1(103.34,10.04) ; U60.1 17.61,107.78 20.84,107.78 20.92,107.87 26.11,107.87 v1(37.94,96.04)
  Bottom w0.2: v1(37.94,96.04) 37.94,82.72 48.18,72.48 48.18,71.35 50.44,69.09 50.44,66.63 73.21,43.87 73.21,42.74 73.26,42.69 73.26,35.78 72.87,35.38 72.87,29.53 76.59,25.81 76.59,24.24 86.83,14 99.38,14 v1(103.34,10.04)
/Level Shifters/PAN5V.MOSI_1_P8: length 103.9
  Top w0.2: R58.1 105.34,10.87 99.79,10.87 v1(99.71,10.94) ; v1(52.53,49.75) 52.35,49.57 48.16,49.57 41.55,56.17 37.5,56.17 37.15,55.82 32.97,55.82 32.1,56.68 32.1,57.16 33.3,58.35 U64.1
  Bottom w0.2: v1(99.71,10.94) 88.02,10.94 79.29,19.67 78.48,19.67 67.49,30.66 67.16,30.66 52.53,45.29 v1(52.53,49.75)
/Level Shifters/PAN5V.MOSI_1_P9: length 47.5
  Top w0.2: v1(86.15,11.43) 86.31,11.59 100.11,11.59 100.43,11.27 105.96,11.27 R59.1 ; U68.1 v1(71.06,25.35)
  Bottom w0.2: v1(71.06,25.35) 72.23,25.35 v1(86.15,11.43)
/Level Shifters/PAN5V.MOSI_1_P10: length 17.3
  Top w0.2: R60.1 v1(109.13,9.17) ; U72.1 v1(119.99,16.18)
  Bottom w0.2: v1(119.99,16.18) 119.99,15.92 113.24,9.17 v1(109.13,9.17)
